# KiCad board Scopefun_v2.kicad_pcb (continued)
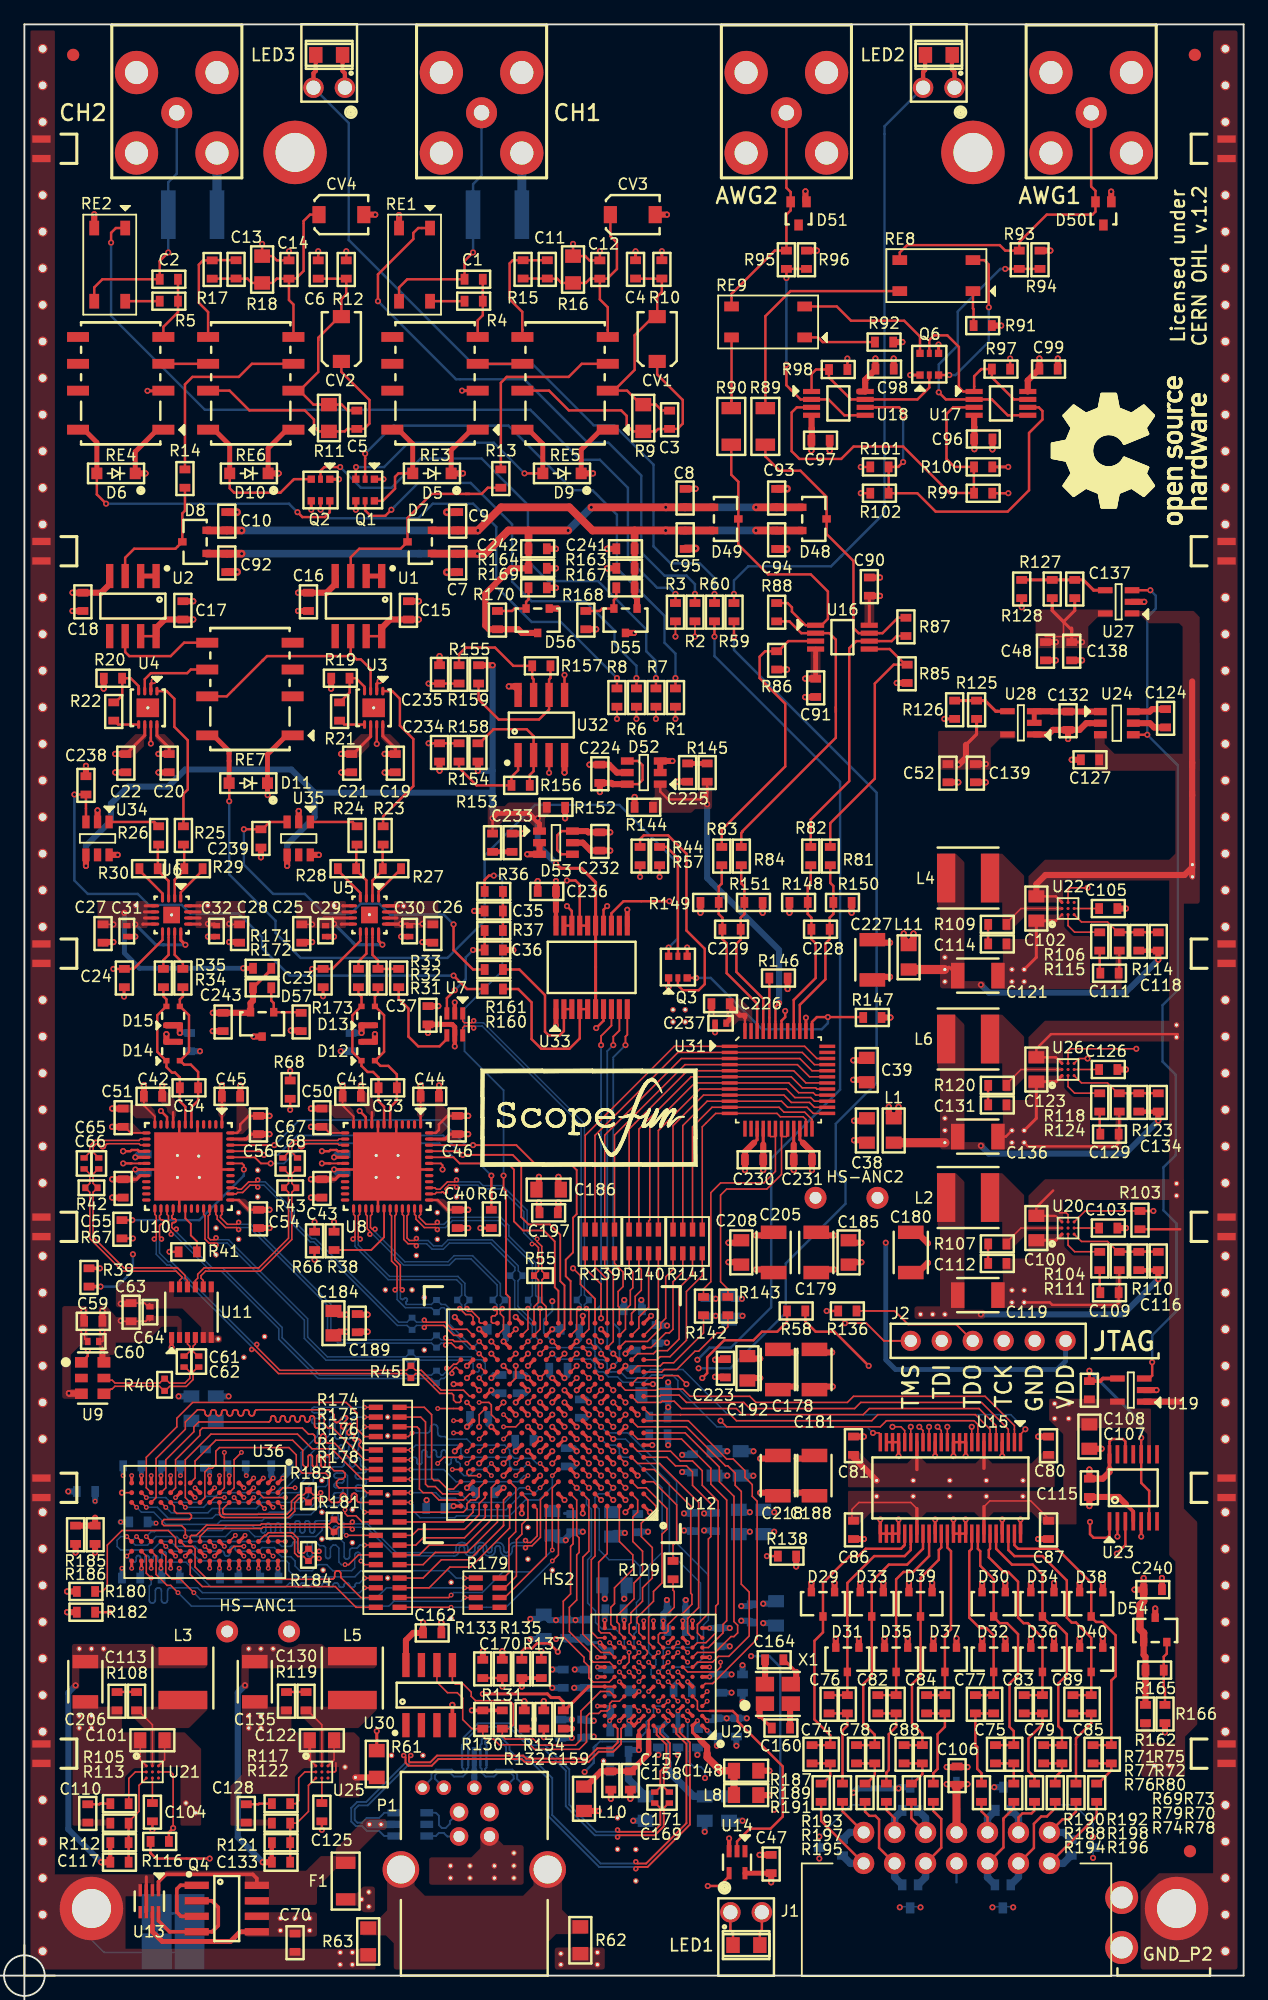
[diagram p0: board, top side]
## Library data of the parts (continued)
R4 R5 R129 R136 R142 R143 R145 R153 R187-R198 = -: Datasheet: http://industrial.panasonic.com/cdbs/www-data/pdf/AOA0000/AOA0000CE2.pdf; Description: RES SMD 1% 1/10W 0603; Manufacturer Part Number: ERJ-3EKF56R0V
R9 R11 R16 R18 = -: Datasheet: http://industrial.panasonic.com/ww/products/resistors/chip-resistors/chip-resistors/precision-thick-film-chip-resistors/ERJ3RED9533V; Description: RES SMD 0.1% 1/10W 0805; Manufacturer Part Number: ERA-6AEB9533V
R10 R12 R126 = -: Datasheet: http://industrial.panasonic.com/cdbs/www-data/pdf/AOA0000/AOA0000CE2.pdf; Description: RES SMD 1% 1/10W 0603; Manufacturer Part Number: ERJ-3EKF4702V
R13 R14 R19-R22 R58-R60 = -: Datasheet: http://industrial.panasonic.com/cdbs/www-data/pdf/AOA0000/AOA0000CE2.pdf; Description: RES SMD 1% 1/10W 0603; Manufacturer Part Number: ERJ-3EKF1000V
R15 R17 R99 R102 R128 = -: Datasheet: http://industrial.panasonic.com/cdbs/www-data/pdf/AOA0000/AOA0000CE2.pdf; Description: RES SMD 1% 1/10W 0603; Manufacturer Part Number: ERJ-3EKF4992V
R27-R30 = -: Datasheet: http://industrial.panasonic.com/cdbs/www-data/pdf/AOA0000/AOA0000CE2.pdf; Description: RES SMD 1% 1/10W 0603; Manufacturer Part Number: ERJ-3EKF4020V
R31 R91 R92 = -: Datasheet: http://industrial.panasonic.com/cdbs/www-data/pdf/AOA0000/AOA0000CE2.pdf; Description: RES SMD 1% 1/10W 0603; Manufacturer Part Number: ERJ-3EKF4990V
R32-R35 R148-R151 = -: Datasheet: https://industrial.panasonic.com/ww/products/resistors/chip-resistors/chip-resistors/precision-thick-film-chip-resistors/ERJ3EKF1000V; Description: RES SMD 1% 1/10W 0603; Manufacturer Part Number: ERJ-3EKF1000V
R36 R37 R165 R168 R170 = -: Datasheet: http://industrial.panasonic.com/cdbs/www-data/pdf/AOA0000/AOA0000CE2.pdf; Description: RES SMD 1% 1/10W 0603; Manufacturer Part Number: ERJ-3EKF6801V
R38 R41 R97 R98 R105 R110 R113 R114 R117 R121 R122 R124 = -: Datasheet: http://industrial.panasonic.com/cdbs/www-data/pdf/AOA0000/AOA0000CE2.pdf; Description: RES SMD 1% 1/10W 0603; Manufacturer Part Number: ERJ-3EKF1002V
R39 R68 R115 R130 R131 R135 R137 R138 = -: Datasheet: http://industrial.panasonic.com/cdbs/www-data/pdf/AOA0000/AOA0000CE2.pdf; Description: RES SMD 1% 1/10W 0603; Manufacturer Part Number: ERJ-3EKF2201V
R40 R42 R43 R45-R56 R181 R183 R184 = -: Datasheet: https://industrial.panasonic.com/ww/products/resistors/chip-resistors/chip-resistors/precision-thick-film-chip-resistors/ERJ3EKF1000V; Description: RES SMD 1% 1/10W 0402; Manufacturer Part Number: ERJ-2RKF1000X
R61-R63 = -: Description: RES SMD ZERO OHM JUMPER 0805; Manufacturer Part Number: ERJ-6GEY0R00V; ki_fp_filters: Resistor_* R_*
R66 R67 R146 R147 R182 = -: Datasheet: http://industrial.panasonic.com/cdbs/www-data/pdf/AOA0000/AOA0000CE2.pdf; Description: RES SMD 1% 1/10W 0603; Manufacturer Part Number: ERJ-3EKF4701V
R69-R80 = -: Datasheet: https://eu.mouser.com/datasheet/2/219/SG73P-1108936.pdf; Description: RES SMD 1% 1/3W 0603; Manufacturer Part Number: SG73P1JTTD4700F
R81-R84 = -: Description: RES SMD ZERO OHM JUMPER 0603; Manufacturer Part Number: RC0603JR-070RL; ki_fp_filters: Resistor_* R_*
R89 R90 = -: Datasheet: https://industrial.panasonic.com/ww/products/resistors/chip-resistors/general-purpose-chip-resistors/precision-thick-film-chip-resistors/ERJ8ENF48R7V; Description: RES SMD 1% 0.25W 1206; Manufacturer Part Number: ERJ-8ENF48R7V; ki_fp_filters: R_1206
R93 R95 = -: Datasheet: http://industrial.panasonic.com/cdbs/www-data/pdf/AOA0000/AOA0000CE2.pdf; Description: RES SMD 1% 1/10W 0603; Manufacturer Part Number: ERJ-3EKF4993V
R94 R96 R106 R118 R166 = -: Datasheet: http://industrial.panasonic.com/cdbs/www-data/pdf/AOA0000/AOA0000CE2.pdf; Description: RES SMD 1% 1/10W 0603; Manufacturer Part Number: ERJ-3EKF2202V
R100 R101 = -: Datasheet: http://industrial.panasonic.com/cdbs/www-data/pdf/AOA0000/AOA0000CE2.pdf; Description: RES SMD 1% 1/10W 0603; Manufacturer Part Number: ERJ-3EKF1501V
R103 R116 R123 = -: Datasheet: http://industrial.panasonic.com/cdbs/www-data/pdf/AOA0000/AOA0000CE2.pdf; Description: RES SMD 1% 1/10W 0603; Manufacturer Part Number: ERJ-3EKF2002V
R104 R111 R112 = -: Datasheet: http://industrial.panasonic.com/cdbs/www-data/pdf/AOA0000/AOA0000CE2.pdf; Description: RES SMD 1% 1/10W 0603; Manufacturer Part Number: ERJ-3EKF1502V
R107-R109 R119 R120 = -: Datasheet: https://industrial.panasonic.com/ww/products/resistors/chip-resistors/chip-resistors/thick-film-chip-resistors/ERJ3GEYJ1R0V; Description: RES SMD 5% 1/10W 0603; Manufacturer Part Number: ERJ-3GEYJ1R0V
R125 R127 R133 = -: Datasheet: http://industrial.panasonic.com/cdbs/www-data/pdf/AOA0000/AOA0000CE2.pdf; Description: RES SMD 1% 1/10W 0603; Manufacturer Part Number: ERJ-3EKF1003V
R132 R172 = -: Datasheet: http://industrial.panasonic.com/cdbs/www-data/pdf/AOA0000/AOA0000CE2.pdf; Description: RES SMD 1% 1/10W 0603; Manufacturer Part Number: ERJ-3EKF2000V
R134 = -: Datasheet: http://industrial.panasonic.com/cdbs/www-data/pdf/AOA0000/AOA0000CE2.pdf; Description: RES SMD 1% 1/10W 0603; Manufacturer Part Number: ERJ-3EKF6041V
R139-R141 R174-R179 = -: Datasheet: http://www.yageo.com/documents/recent/PYu-YC_TC_group_51_RoHS_L_5.pdf; Description: RES ARRAY SMD 5% 0.063W 3.2mm x 1.5mm; Manufacturer Part Number: YC164-JR-0727RL
RE1 RE2 RE8 RE9 = -: Datasheet: https://www.mouser.com/ds/2/315/panasonic_AQW,AQY280,282,284-1196946.pdf; Description: Solid State Relays - PCB Mount 60v 500mA SOP Form A Norm-Open
RE3-RE7 = -: Datasheet: https://www.omron.com/ecb/products/pdf/en-g6k.pdf; Description: Low Signal Relays - PCB Gullwing NoLatch 3.2 DPDT 4.5VDC 100mW
U1 U2 = -: Datasheet: http://www.analog.com/media/en/technical-documentation/data-sheets/ADA4817-1_4817-2.pdf; Description: Low Noise, 1 GHz FastFET Op Amp; Manufacturer Part Number: ADA4817-1ARDZ
U3 U4 = -: Datasheet: http://www.analog.com/media/en/technical-documentation/data-sheets/AD8337.pdf; Description: DC-Coupled VGA (voltage adjusted gain); Manufacturer Part Number: AD8337BCPZ-REEL7
U5 U6 = -: Datasheet: http://www.analog.com/media/en/technical-documentation/data-sheets/ADA4932-1_4932-2.pdf; Description: Low Power Differential ADC Driver, -3 dB bandwidth of 560 MHz, G = 1; Manufacturer Part Number: ADA4932-1YCPZ-R7
U7 = -: Datasheet: http://cds.linear.com/docs/en/datasheet/6754f.pdf; Description: Rail-to-Rail, High-Speed Comparator with LVDS Compatible Outputs; Manufacturer Part Number: LTC6754HSC6#TRMPBF
U9 = -: Datasheet: https://support.epson.biz/td/api/doc_check.php?dl=brief_SG3225EAN_en.pdf; Description: 3.3 V, 250 MHz LVDS Clock Oscillator 30ppm; Manufacturer Part Number: SG3225VAN 250.000000M-KEGA3
U11 = -: Datasheet: http://cds.linear.com/docs/en/datasheet/6957fa.pdf; Description: IC CLK BUFFER DRIVER 1:2 LVDS OUT 12MSOP; Manufacturer Part Number: LTC6957HMS-2#PBF
U12 = -: Datasheet: https://www.xilinx.com/support/documentation/data_sheets/ds181_Artix_7_Data_Sheet.pdf; Description: Artix-7 FPGA; Manufacturer Part Number: XC7A35T-2FTG256I
U13 = -: Datasheet: http://cds.linear.com/docs/en/datasheet/436012fa.pdf; Description: Overvoltage Protection Controller; Manufacturer Part Number: LTC4360CSC8-1
U14 = -: Datasheet: http://www.ti.com/lit/ds/symlink/sn74aup1t17.pdf; Description: Translation - Voltage Levels Low Pwr,1.8/2.5/3.3 Vin,3.3V CMOS Out
U15 = -: Datasheet: http://www.ti.com/lit/ds/symlink/sn74avch16t245.pdf; Description: 74AVCH16T245 16-bit dual supply translating transceiver; Manufacturer Part Number: SN74AVCH16T245GR
U16 = -: Datasheet: http://www.ti.com/lit/ds/symlink/opa2830.pdf; Description: Dual, Low-Power, Single-Supply, Wideband OPERATIONAL AMPLIFIER; Manufacturer Part Number: OPA2830IDGKT
U17 U18 = -: Datasheet: http://www.ti.com/lit/ds/symlink/lm193.pdf; Description: Dual, General Purpose, Differential Comparator; Manufacturer Part Number: LM393DGKR
U19 U27 = -: Datasheet: https://www.exar.com/content/document.ashx?id=22106; Description: 500mA Low-Noise LDO Voltage Regulator; Manufacturer Part Number: SPX3819M5-L/TR
U20-U22 U25 U26 = -: Datasheet: https://datasheets.maximintegrated.com/en/ds/MAX15053.pdf; Description: High-Efficiency, 2A, Current-Mode Synchronous, Step-Down Switching Regulator; Manufacturer Part Number: MAX15053EWL+T
U23 = -: Datasheet: http://ww1.microchip.com/downloads/en/DeviceDoc/22060b.pdf; Description: Dual Digital Potentiometer 50kOhm; Manufacturer Part Number: MCP4251-503E/ST
U24 = -: Datasheet: http://www.ti.com/lit/ds/symlink/lm2776.pdf; Description: Switched Capacitor Inverter 200mA, LM2776; Manufacturer Part Number: LM2776DBVR
U28 = -: Datasheet: http://www.ti.com/lit/ds/symlink/tps723.pdf; Description: IC REG LDO NEG ADJ 0.2A SOT23-5; Manufacturer Part Number: TPS72301DBVR
U29 = -: Datasheet: http://www.cypress.com/file/140296/download; Description: FX3 SuperSpeed USB controller; Manufacturer Part Number: CYUSB3014-BZXC
U30 = -: Datasheet: http://www.st.com/content/ccc/resource/technical/document/datasheet/b7/de/9b/f6/03/28/4e/8e/CD00290537.pdf/files/CD00290537.pdf/jcr:content/translations/en.CD00290537.pdf; Description: 2 MBit I2C Bus Serial EEPROM; Manufacturer Part Number: M24M02-DRMN6TP
U31 = -: Datasheet: http://www.ti.com/lit/ds/symlink/dac5662.pdf; Description: DAC 12 bit 275 MSPS Dual DAC; Manufacturer Part Number: DAC5662IPFB
U32 = -: Datasheet: https://www.diodes.com/assets/Datasheets/AZ4558C.pdf; Description: DUAL BIPOLAR OPERATIONAL AMPLIFIERS 5.5MHz 5.5MHz; Manufacturer Part Number: AZ4558CMTR-E1
U33 = -: Datasheet: https://datasheets.maximintegrated.com/en/ds/MAX5500-MAX5501.pdf; Description: Low-Power, Quad, 12-Bit Voltage-Output DACs with Serial Interface, 3.3V supply; Manufacturer Part Number: MAX5501BGAP+
U34 U35 = -: Datasheet: http://www.ti.com/lit/ds/symlink/opa692.pdf; Description: Wideband,  Fixed  Gain Video BUFFER AMPLIFIER With Disable; Manufacturer Part Number: OPA692IDBVT
U36 = -: Datasheet: http://www.issi.com/WW/pdf/43-46TR16640B-81280BL.pdf; Description: 256M X 16 BIT DDR3 SRAM 1.5V; Manufacturer Part Number: IS43TR16640B-125JBL
X1 = -: Datasheet: https://www.pericom.com/assets/Datasheets/FL1920031.pdf; Description: Quartz crystal 19.2 Mhz 10ppm; Manufacturer Part Number: FL1920031; ki_fp_filters: Crystal_*

## Footprints (pads in the part's own frame, mm; a bottom-side part is the same pattern mirrored in y, then rotated)
3.2X2.5_SMD_6_EPSON
  rect 1.05x0.86 smd: 1(-0.925,1.29) 3(-0.925,-1.29) 4(0.925,-1.29) 6(0.925,1.29)
  rect 1.05x0.7 smd: 2(-0.925,0) 5(0.925,0)
12-MSOP
  rect 0.889x0.42 smd: 1(-2.075,1.625) 2(-2.075,0.975) 3(-2.075,0.325) 4(-2.075,-0.325) 5(-2.075,-0.975) 6(-2.075,-1.625) 7(2.075,-1.625) 8(2.075,-0.975) 9(2.075,-0.325) 10(2.075,0.325) 11(2.075,0.975) 12(2.075,1.625)
BGA121_0.8mm
  round 0.35 smd: A1(-4,4) A2(-3.2,4) A3(-2.4,4) A4(-1.6,4) A5(-0.8,4) A6(0,4) A7(0.8,4) A8(1.6,4) A9(2.4,4) A10(3.2,4) A11(4,4) B1(-4,3.2) B2(-3.2,3.2) B3(-2.4,3.2) B4(-1.6,3.2) B5(-0.8,3.2) B6(0,3.2) B7(0.8,3.2) B8(1.6,3.2) B9(2.4,3.2) B10(3.2,3.2) B11(4,3.2) C1(-4,2.4) C2(-3.2,2.4) C3(-2.4,2.4) C4(-1.6,2.4) C5(-0.8,2.4) C6(0,2.4) C7(0.8,2.4) C8(1.6,2.4) C9(2.4,2.4) C10(3.2,2.4) C11(4,2.4) D1(-4,1.6) D2(-3.2,1.6) D3(-2.4,1.6) D4(-1.6,1.6) D5(-0.8,1.6) D6(0,1.6) D7(0.8,1.6) D8(1.6,1.6) D9(2.4,1.6) D10(3.2,1.6) D11(4,1.6) E1(-4,0.8) E2(-3.2,0.8) E3(-2.4,0.8) E4(-1.6,0.8) E5(-0.8,0.8) E6(0,0.8) E7(0.8,0.8) E8(1.6,0.8) E9(2.4,0.8) E10(3.2,0.8) E11(4,0.8) F1(-4,0) F2(-3.2,0) F3(-2.4,0) F4(-1.6,0) F5(-0.8,0) F6(0,0) F7(0.8,0) F8(1.6,0) F9(2.4,0) F10(3.2,0) F11(4,0) G1(-4,-0.8) G2(-3.2,-0.8) G3(-2.4,-0.8) G4(-1.6,-0.8) G5(-0.8,-0.8) G6(0,-0.8) G7(0.8,-0.8) G8(1.6,-0.8) G9(2.4,-0.8) G10(3.2,-0.8) G11(4,-0.8) H1(-4,-1.6) H2(-3.2,-1.6) H3(-2.4,-1.6) H4(-1.6,-1.6) H5(-0.8,-1.6) H6(0,-1.6) H7(0.8,-1.6) H8(1.6,-1.6) H9(2.4,-1.6) H10(3.2,-1.6) H11(4,-1.6) J1(-4,-2.4) J2(-3.2,-2.4) J3(-2.4,-2.4) J4(-1.6,-2.4) J5(-0.8,-2.4) J6(0,-2.4) J7(0.8,-2.4) J8(1.6,-2.4) J9(2.4,-2.4) J10(3.2,-2.4) J11(4,-2.4) K1(-4,-3.2) K2(-3.2,-3.2) K3(-2.4,-3.2) K4(-1.6,-3.2) K5(-0.8,-3.2) K6(0,-3.2) K7(0.8,-3.2) K8(1.6,-3.2) K9(2.4,-3.2) K10(3.2,-3.2) K11(4,-3.2) L1(-4,-4) L2(-3.2,-4) L3(-2.4,-4) L4(-1.6,-4) L5(-0.8,-4) L6(0,-4) L7(0.8,-4) L8(1.6,-4) L9(2.4,-4) L10(3.2,-4) L11(4,-4)
BGA256_FTG256
  round 0.4 smd: A1(7.5,7.5) A2(7.5,6.5) A3(7.5,5.5) A4(7.5,4.5) A5(7.5,3.5) A6(7.5,2.5) A7(7.5,1.5) A8(7.5,0.5) A9(7.5,-0.5) A10(7.5,-1.5) A11(7.5,-2.5) A12(7.5,-3.5) A13(7.5,-4.5) A14(7.5,-5.5) A15(7.5,-6.5) A16(7.5,-7.5) B1(6.5,7.5) B2(6.5,6.5) B3(6.5,5.5) B4(6.5,4.5) B5(6.5,3.5) B6(6.5,2.5) B7(6.5,1.5) B8(6.5,0.5) B9(6.5,-0.5) B10(6.5,-1.5) B11(6.5,-2.5) B12(6.5,-3.5) B13(6.5,-4.5) B14(6.5,-5.5) B15(6.5,-6.5) B16(6.5,-7.5) C1(5.5,7.5) C2(5.5,6.5) C3(5.5,5.5) C4(5.5,4.5) C5(5.5,3.5) C6(5.5,2.5) C7(5.5,1.5) C8(5.5,0.5) C9(5.5,-0.5) C10(5.5,-1.5) C11(5.5,-2.5) C12(5.5,-3.5) C13(5.5,-4.5) C14(5.5,-5.5) C15(5.5,-6.5) C16(5.5,-7.5) D1(4.5,7.5) D2(4.5,6.5) D3(4.5,5.5) D4(4.5,4.5) D5(4.5,3.5) D6(4.5,2.5) D7(4.5,1.5) D8(4.5,0.5) D9(4.5,-0.5) D10(4.5,-1.5) D11(4.5,-2.5) D12(4.5,-3.5) D13(4.5,-4.5) D14(4.5,-5.5) D15(4.5,-6.5) D16(4.5,-7.5) E1(3.5,7.5) E2(3.5,6.5) E3(3.5,5.5) E4(3.5,4.5) E5(3.5,3.5) E6(3.5,2.5) E7(3.5,1.5) E8(3.5,0.5) E9(3.5,-0.5) E10(3.5,-1.5) E11(3.5,-2.5) E12(3.5,-3.5) E13(3.5,-4.5) E14(3.5,-5.5) E15(3.5,-6.5) E16(3.5,-7.5) F1(2.5,7.5) F2(2.5,6.5) F3(2.5,5.5) F4(2.5,4.5) F5(2.5,3.5) F6(2.5,2.5) F7(2.5,1.5) F8(2.5,0.5) F9(2.5,-0.5) F10(2.5,-1.5) F11(2.5,-2.5) F12(2.5,-3.5) F13(2.5,-4.5) F14(2.5,-5.5) F15(2.5,-6.5) F16(2.5,-7.5) G1(1.5,7.5) G2(1.5,6.5) G3(1.5,5.5) G4(1.5,4.5) G5(1.5,3.5) G6(1.5,2.5) G7(1.5,1.5) G8(1.5,0.5) G9(1.5,-0.5) G10(1.5,-1.5) G11(1.5,-2.5) G12(1.5,-3.5) G13(1.5,-4.5) G14(1.5,-5.5) G15(1.5,-6.5) G16(1.5,-7.5) H1(0.5,7.5) H2(0.5,6.5) H3(0.5,5.5) H4(0.5,4.5) H5(0.5,3.5) H6(0.5,2.5) H7(0.5,1.5) H8(0.5,0.5) H9(0.5,-0.5) H10(0.5,-1.5) H11(0.5,-2.5) H12(0.5,-3.5) H13(0.5,-4.5) H14(0.5,-5.5) H15(0.5,-6.5) H16(0.5,-7.5) J1(-0.5,7.5) J2(-0.5,6.5) J3(-0.5,5.5) J4(-0.5,4.5) J5(-0.5,3.5) J6(-0.5,2.5) J7(-0.5,1.5) J8(-0.5,0.5) J9(-0.5,-0.5) J10(-0.5,-1.5) J11(-0.5,-2.5) J12(-0.5,-3.5) J13(-0.5,-4.5) J14(-0.5,-5.5) J15(-0.5,-6.5) J16(-0.5,-7.5) K1(-1.5,7.5) K2(-1.5,6.5) K3(-1.5,5.5) K4(-1.5,4.5) K5(-1.5,3.5) K6(-1.5,2.5) K7(-1.5,1.5) K8(-1.5,0.5) K9(-1.5,-0.5) K10(-1.5,-1.5) K11(-1.5,-2.5) K12(-1.5,-3.5) K13(-1.5,-4.5) K14(-1.5,-5.5) K15(-1.5,-6.5) K16(-1.5,-7.5) L1(-2.5,7.5) L2(-2.5,6.5) L3(-2.5,5.5) L4(-2.5,4.5) L5(-2.5,3.5) L6(-2.5,2.5) L7(-2.5,1.5) L8(-2.5,0.5) L9(-2.5,-0.5) L10(-2.5,-1.5) L11(-2.5,-2.5) L12(-2.5,-3.5) L13(-2.5,-4.5) L14(-2.5,-5.5) L15(-2.5,-6.5) L16(-2.5,-7.5) M1(-3.5,7.5) M2(-3.5,6.5) M3(-3.5,5.5) M4(-3.5,4.5) M5(-3.5,3.5) M6(-3.5,2.5) M7(-3.5,1.5) M8(-3.5,0.5) M9(-3.5,-0.5) M10(-3.5,-1.5) M11(-3.5,-2.5) M12(-3.5,-3.5) M13(-3.5,-4.5) M14(-3.5,-5.5) M15(-3.5,-6.5) M16(-3.5,-7.5) N1(-4.5,7.5) N2(-4.5,6.5) N3(-4.5,5.5) N4(-4.5,4.5) N5(-4.5,3.5) N6(-4.5,2.5) N7(-4.5,1.5) N8(-4.5,0.5) N9(-4.5,-0.5) N10(-4.5,-1.5) N11(-4.5,-2.5) N12(-4.5,-3.5) N13(-4.5,-4.5) N14(-4.5,-5.5) N15(-4.5,-6.5) N16(-4.5,-7.5) P1(-5.5,7.5) P2(-5.5,6.5) P3(-5.5,5.5) P4(-5.5,4.5) P5(-5.5,3.5) P6(-5.5,2.5) P7(-5.5,1.5) P8(-5.5,0.5) P9(-5.5,-0.5) P10(-5.5,-1.5) P11(-5.5,-2.5) P12(-5.5,-3.5) P13(-5.5,-4.5) P14(-5.5,-5.5) P15(-5.5,-6.5) P16(-5.5,-7.5) R1(-6.5,7.5) R2(-6.5,6.5) R3(-6.5,5.5) R4(-6.5,4.5) R5(-6.5,3.5) R6(-6.5,2.5) R7(-6.5,1.5) R8(-6.5,0.5) R9(-6.5,-0.5) R10(-6.5,-1.5) R11(-6.5,-2.5) R12(-6.5,-3.5) R13(-6.5,-4.5) R14(-6.5,-5.5) R15(-6.5,-6.5) R16(-6.5,-7.5) T1(-7.5,7.5) T2(-7.5,6.5) T3(-7.5,5.5) T4(-7.5,4.5) T5(-7.5,3.5) T6(-7.5,2.5) T7(-7.5,1.5) T8(-7.5,0.5) T9(-7.5,-0.5) T10(-7.5,-1.5) T11(-7.5,-2.5) T12(-7.5,-3.5) T13(-7.5,-4.5) T14(-7.5,-5.5) T15(-7.5,-6.5) T16(-7.5,-7.5)
BNC-5-1634556-0
  round 2.54 hole 1.27: 1(-0.004,0.004)
  round 3.55 hole 1.9: 2(-3.302,3.302) 2(-3.302,-3.298) 2(3.298,3.302) 2(3.298,-3.298)
C_0402
  rect 0.6x0.45 smd: 1(0,0.45) 2(0,-0.45)
C_0603
  rect 0.889x0.635 smd: 1(0,0.75) 2(0,-0.75)
C_0805
  rect 1.3x1 smd: 1(0,1) 2(0,-1)
C_1210
  rect 2.1x1.1 smd: 1(0,-1.65) 2(0,1.65)
CP-8-2
  oval 0.254x0.71 smd: 1(0.75,1.37) 2(0.25,1.37) 3(-0.25,1.37) 4(-0.75,1.37) 5(-0.75,-1.37) 6(-0.25,-1.37) 7(0.25,-1.37) 8(0.75,-1.37)
  rect 1.85x1.53 smd: EP(0,0)
CP-16-2
  oval 0.254x0.71 smd: 1(0.75,1.37) 2(0.25,1.37) 3(-0.25,1.37) 4(-0.75,1.37) 9(-0.75,-1.37) 10(-0.25,-1.37) 11(0.25,-1.37) 12(0.75,-1.37)
  oval 0.71x0.254 smd: 5(-1.37,0.75) 6(-1.37,0.25) 7(-1.37,-0.25) 8(-1.37,-0.75) 13(1.37,-0.75) 14(1.37,-0.25) 15(1.37,0.25) 16(1.37,0.75)
  rect 1.37x1.37 smd: EP(0,0)
DIL14_RA
  round 1.75 hole 1: 1(7.62,2.54) 2(7.62,0) 3(5.08,2.54) 4(5.08,0) 5(2.54,2.54) 6(2.54,0) 7(0,2.54) 8(0,0) 9(-2.54,2.54) 10(-2.54,0) 11(-5.08,2.54) 12(-5.08,0) 13(-7.62,2.54) 14(-7.62,0)
EMI_SHLD_FINGER_0820
  rect 0.6x1.5 smd: 1(-0.8,0) 1(0.8,0)
FID_1mm_2mm
  round 1 smd: 1(0,0)
G6K-2F-Y
  rect 1.8x0.8 smd: 1(-3.5,3.8) 2(-3.5,0.6) 3(-3.5,-1.6) 4(-3.5,-3.8) 5(3.5,-3.8) 6(3.5,-1.6) 7(3.5,0.6) 8(3.5,3.8)
GDT_SG
  rect 1.2x4 smd: 1(-2,0) 2(2,0)
HS-ANC
  round 1.8 hole 0.97: 1(-2.54,0) 1(2.54,0)
L48.7x7E
  oval 0.7x0.26 smd: 1(-3.45,2.75) 2(-3.45,2.25) 3(-3.45,1.75) 4(-3.45,1.25) 5(-3.45,0.75) 6(-3.45,0.25) 7(-3.45,-0.25) 8(-3.45,-0.75) 9(-3.45,-1.25) 10(-3.45,-1.75) 11(-3.45,-2.25) 12(-3.45,-2.75) 25(3.45,-2.75) 26(3.45,-2.25) 27(3.45,-1.75) 28(3.45,-1.25) 29(3.45,-0.75) 30(3.45,-0.25) 31(3.45,0.25) 32(3.45,0.75) 33(3.45,1.25) 34(3.45,1.75) 35(3.45,2.25) 36(3.45,2.75)
  oval 0.26x0.7 smd: 13(-2.75,-3.45) 14(-2.25,-3.45) 15(-1.75,-3.45) 16(-1.25,-3.45) 17(-0.75,-3.45) 18(-0.25,-3.45) 19(0.25,-3.45) 20(0.75,-3.45) 21(1.25,-3.45) 22(1.75,-3.45) 23(2.25,-3.45) 24(2.75,-3.45) 37(2.75,3.45) 38(2.25,3.45) 39(1.75,3.45) 40(1.25,3.45) 41(0.75,3.45) 42(0.25,3.45) 43(-0.25,3.45) 44(-0.75,3.45) 45(-1.25,3.45) 46(-1.75,3.45) 47(-2.25,3.45) 48(-2.75,3.45)
  rect 1.45x1.45 smd: EP(-1.78,1.78) EP(-1.78,0) EP(-1.78,-1.78) EP(0,1.78) EP(0,0) EP(0,-1.78) EP(1.78,1.78) EP(1.78,0) EP(1.78,-1.78)
  rect 5.6x5.6 smd: EP(0,0)
L_0805
  rect 1.3x1 smd: 1(0,1) 2(0,-1)
L_NRS
  rect 4x1.5 smd: 1(0,-1.8) 2(0,1.8)
LED_0805
  rect 1.3x1.1 smd: 1(0,1.1) 2(0,-1.1)
MountingHole_3.2mm_M3_Pad
  round 5.2 hole 3.2: 1(0,0)
MountingHole_3.2mm_M3_Pad#2
  round 5.2 hole 3.2: 1(-0.5,0)
R_0402
  rect 0.55x0.5 smd: 1(0,0.5) 2(0,-0.5)
R_0603
  rect 0.889x0.635 smd: 1(0,0.75) 2(0,-0.75)
R_0805
  rect 1.3x1.1 smd: 1(0,1.1) 2(0,-1.1)
R_1206
  rect 1.6x1 smd: 1(0,1.5) 2(0,-1.5)
R_CRA06E
  rect 1.15x0.44 smd: 1(0.975,-1.2) 2(0.975,-0.4) 3(0.975,0.4) 4(0.975,1.2) 5(-0.975,1.2) 6(-0.975,0.4) 7(-0.975,-0.4) 8(-0.975,-1.2)
S-PQFP-G48
  rect 0.28x1.3 smd: 1(2.75,4) 2(2.25,4) 3(1.75,4) 4(1.25,4) 5(0.75,4) 6(0.25,4) 7(-0.25,4) 8(-0.75,4) 9(-1.25,4) 10(-1.75,4) 11(-2.25,4) 12(-2.75,4) 25(-2.75,-4) 26(-2.25,-4) 27(-1.75,-4) 28(-1.25,-4) 29(-0.75,-4) 30(-0.25,-4) 31(0.25,-4) 32(0.75,-4) 33(1.25,-4) 34(1.75,-4) 35(2.25,-4) 36(2.75,-4)
  rect 1.3x0.28 smd: 13(-4,2.75) 14(-4,2.25) 15(-4,1.75) 16(-4,1.25) 17(-4,0.75) 18(-4,0.25) 19(-4,-0.25) 20(-4,-0.75) 21(-4,-1.25) 22(-4,-1.75) 23(-4,-2.25) 24(-4,-2.75) 37(4,-2.75) 38(4,-2.25) 39(4,-1.75) 40(4,-1.25) 41(4,-0.75) 42(4,-0.25) 43(4,0.25) 44(4,0.75) 45(4,1.25) 46(4,1.75) 47(4,2.25) 48(4,2.75)
SC70
  rect 0.28x1 smd: 1(0.75,0.9) 2(0.25,0.9) 3(-0.25,0.9) 4(-0.75,0.9) 5(-0.75,-0.9) 6(-0.25,-0.9) 7(0.25,-0.9) 8(0.75,-0.9)
SC70-5
  rect 0.4x1 smd: 1(-0.65,-0.9) 2(0,-0.9) 3(0.65,-0.9) 4(0.65,0.9) 5(-0.65,0.9)
SC70-6
  rect 0.4x1 smd: 1(0.65,0.9) 2(0,0.9) 3(-0.65,0.9) 4(-0.65,-0.9) 5(0,-0.9) 6(0.65,-0.9)
SGC3
  rect 1.4x1.075 smd: 1(0,-1.837) 2(0,1.837)
SIL6
  round 1.65 hole 1: 1(-6.35,0) 2(-3.81,0) 3(-1.27,0) 4(1.27,0) 5(3.81,0) 6(6.35,0)
SLP3-300-100-R
  round 1.676 hole 1.168: 1(-2.692,-1.289) 2(-2.692,1.289)
SOD123
  rect 0.95x0.9 smd: 1(0,1.575) 2(0,-1.575)
SOD323
  rect 0.54x1.06 smd: 1(0,1.07) 2(0,-1.07)
SOIC8
  rect 1.98x0.6 smd: 1(-2.465,1.905) 2(-2.465,0.635) 3(-2.465,-0.635) 4(-2.465,-1.905) 5(2.465,-1.905) 6(2.465,-0.635) 7(2.465,0.635) 8(2.465,1.905)
SOP-4
  rect 1.2x0.8 smd: 1(3,-1.27) 2(3,1.27) 3(-3,1.27) 4(-3,-1.27)
SOT23
  rect 0.6x0.7 smd: 1(-0.95,-1) 2(0.95,-1) 3(0,1)
SOT23-5
  rect 0.5x1.2 smd: 1(-0.95,-1.1) 2(0,-1.1) 3(0.95,-1.1) 4(0.95,1.1) 5(-0.95,1.1)
SOT23-5_EXAR
  rect 0.5x1.2 smd: 1(0.95,1.1) 2(0,1.1) 3(-0.95,1.1) 4(-0.95,-1.1) 5(0.95,-1.1)
SOT23-6
  rect 0.6x1.05 smd: 1(-0.95,-1.35) 2(0,-1.35) 3(0.95,-1.35) 4(0.95,1.35) 5(0,1.35) 6(-0.95,1.35)
SOT323
  rect 0.7x0.9 smd: 1(-0.65,-0.95) 2(0.65,-0.95) 3(0,0.95)
SOT363
  rect 0.6x0.6 smd: 1(0.762,0.889) 3(-0.762,0.889) 4(-0.762,-0.889) 6(0.762,-0.889)
  rect 0.4x0.6 smd: 2(0,0.889) 5(0,-0.889)
SOT-543
  rect 0.5x0.45 smd: 1(0.55,0.775) 2(-0.55,0.775) 3(-0.55,-0.775) 4(0.55,-0.775)
SSOP20
  rect 1.62x0.42 smd: 1(-3.425,2.925) 2(-3.425,2.275) 3(-3.425,1.625) 4(-3.425,0.975) 5(-3.425,0.325) 6(-3.425,-0.325) 7(-3.425,-0.975) 8(-3.425,-1.625) 9(-3.425,-2.275) 10(-3.425,-2.925) 11(3.425,-2.925) 12(3.425,-2.275) 13(3.425,-1.625) 14(3.425,-0.975) 15(3.425,-0.325) 16(3.425,0.325) 17(3.425,0.975) 18(3.425,1.625) 19(3.425,2.275) 20(3.425,2.925)
TERM-PCB-55-M3
  round 2.7 hole 1.8: 1(-3.45,6.5) 1(-3.45,2.4)
TSSOP8
  rect 1.4x0.425 smd: 1(-2.2,0.975) 2(-2.2,0.325) 3(-2.2,-0.325) 4(-2.2,-0.975) 5(2.2,-0.975) 6(2.2,-0.325) 7(2.2,0.325) 8(2.2,0.975)
TSSOP14
  rect 1.5x0.3 smd: 1(-2.75,1.95) 2(-2.75,1.3) 3(-2.75,0.65) 4(-2.75,0) 5(-2.75,-0.65) 6(-2.75,-1.3) 7(-2.75,-1.95) 8(2.75,-1.95) 9(2.75,-1.3) 10(2.75,-0.65) 11(2.75,0) 12(2.75,0.65) 13(2.75,1.3) 14(2.75,1.95)
TSSOP48
  rect 1.5x0.28 smd: 1(-3.75,5.75) 2(-3.75,5.25) 3(-3.75,4.75) 4(-3.75,4.25) 5(-3.75,3.75) 6(-3.75,3.25) 7(-3.75,2.75) 8(-3.75,2.25) 9(-3.75,1.75) 10(-3.75,1.25) 11(-3.75,0.75) 12(-3.75,0.25) 13(-3.75,-0.25) 14(-3.75,-0.75) 15(-3.75,-1.25) 16(-3.75,-1.75) 17(-3.75,-2.25) 18(-3.75,-2.75) 19(-3.75,-3.25) 20(-3.75,-3.75) 21(-3.75,-4.25) 22(-3.75,-4.75) 23(-3.75,-5.25) 24(-3.75,-5.75) 25(3.75,-5.75) 26(3.75,-5.25) 27(3.75,-4.75) 28(3.75,-4.25) 29(3.75,-3.75) 30(3.75,-3.25) 31(3.75,-2.75) 32(3.75,-2.25) 33(3.75,-1.75) 34(3.75,-1.25) 35(3.75,-0.75) 36(3.75,-0.25) 37(3.75,0.25) 38(3.75,0.75) 39(3.75,1.25) 40(3.75,1.75) 41(3.75,2.25) 42(3.75,2.75) 43(3.75,3.25) 44(3.75,3.75) 45(3.75,4.25) 46(3.75,4.75) 47(3.75,5.25) 48(3.75,5.75)
TW-BGA-96
  round 0.4 smd: A1(-3.2,6) A2(-2.4,6) A3(-1.6,6) A7(1.6,6) A8(2.4,6) A9(3.2,6) B1(-3.2,5.2) B2(-2.4,5.2) B3(-1.6,5.2) B7(1.6,5.2) B8(2.4,5.2) B9(3.2,5.2) C1(-3.2,4.4) C2(-2.4,4.4) C3(-1.6,4.4) C7(1.6,4.4) C8(2.4,4.4) C9(3.2,4.4) D1(-3.2,3.6) D2(-2.4,3.6) D3(-1.6,3.6) D7(1.6,3.6) D8(2.4,3.6) D9(3.2,3.6) E1(-3.2,2.8) E2(-2.4,2.8) E3(-1.6,2.8) E7(1.6,2.8) E8(2.4,2.8) E9(3.2,2.8) F1(-3.2,2) F2(-2.4,2) F3(-1.6,2) F7(1.6,2) F8(2.4,2) F9(3.2,2) G1(-3.2,1.2) G2(-2.4,1.2) G3(-1.6,1.2) G7(1.6,1.2) G8(2.4,1.2) G9(3.2,1.2) H1(-3.2,0.4) H2(-2.4,0.4) H3(-1.6,0.4) H7(1.6,0.4) H8(2.4,0.4) H9(3.2,0.4) J1(-3.2,-0.4) J2(-2.4,-0.4) J3(-1.6,-0.4) J7(1.6,-0.4) J8(2.4,-0.4) J9(3.2,-0.4) K1(-3.2,-1.2) K2(-2.4,-1.2) K3(-1.6,-1.2) K7(1.6,-1.2) K8(2.4,-1.2) K9(3.2,-1.2) L1(-3.2,-2) L2(-2.4,-2) L3(-1.6,-2) L7(1.6,-2) L8(2.4,-2) L9(3.2,-2) M1(-3.2,-2.8) M2(-2.4,-2.8) M3(-1.6,-2.8) M7(1.6,-2.8) M8(2.4,-2.8) M9(3.2,-2.8) N1(-3.2,-3.6) N2(-2.4,-3.6) N3(-1.6,-3.6) N7(1.6,-3.6) N8(2.4,-3.6) N9(3.2,-3.6) P1(-3.2,-4.4) P2(-2.4,-4.4) P3(-1.6,-4.4) P7(1.6,-4.4) P8(2.4,-4.4) P9(3.2,-4.4) R1(-3.2,-5.2) R2(-2.4,-5.2) R3(-1.6,-5.2) R7(1.6,-5.2) R8(2.4,-5.2) R9(3.2,-5.2) T1(-3.2,-6) T2(-2.4,-6) T3(-1.6,-6) T7(1.6,-6) T8(2.4,-6) T9(3.2,-6)
uDFN-10
  rect 0.675x0.2 smd: 1(-0.438,1) 2(-0.438,0.5) 4(-0.438,-0.5) 5(-0.438,-1) 6(0.438,-1) 7(0.438,-0.5) 9(0.438,0.5) 10(0.438,1)
  rect 0.675x0.4 smd: 3(-0.438,0) 8(0.438,0)
USB3_TypeB
  round 1.524 hole 0.92: 1(1.25,4.71) 2(-1.25,4.71) 3(-1.25,2.71) 4(1.25,2.71)
  round 1.2 hole 0.7: 5(-4.25,6.71) 6(-2.5,6.71) 7(0,6.71) 8(2.5,6.71) 9(4.25,6.71)
  round 3 hole 2.3: SHLD(-6.02,0) SHLD(6.02,0)
VIA-0.5mm-0.3mm
  round 0.45 hole 0.25: 1(0,0)
VIA-0.8mm-0.6mm
  round 0.8 hole 0.6: 1(0,0)
VIA-0.45mm-0.25mm
  round 0.45 hole 0.25: 1(0,0)
WLP-9
  round 0.25 smd: A1(-0.5,0.5) A2(0,0.5) A3(0.5,0.5) B1(-0.5,0) B2(0,0) B3(0.5,0) C1(-0.5,-0.5) C2(0,-0.5) C3(0.5,-0.5)
WP-SMRA
  rect 2.45x2.95 smd: 1(-1.35,-1.6) 1(-1.35,1.6) 1(1.35,-1.6) 1(1.35,1.6)
XTAL-4
  rect 1.2x1.5 smd: 1(-0.8,1.06) 2(-0.8,-1.06) 3(0.8,-1.06) 4(0.8,1.06)
